# KiCad board lb_mp1.kicad_pcb (continued)
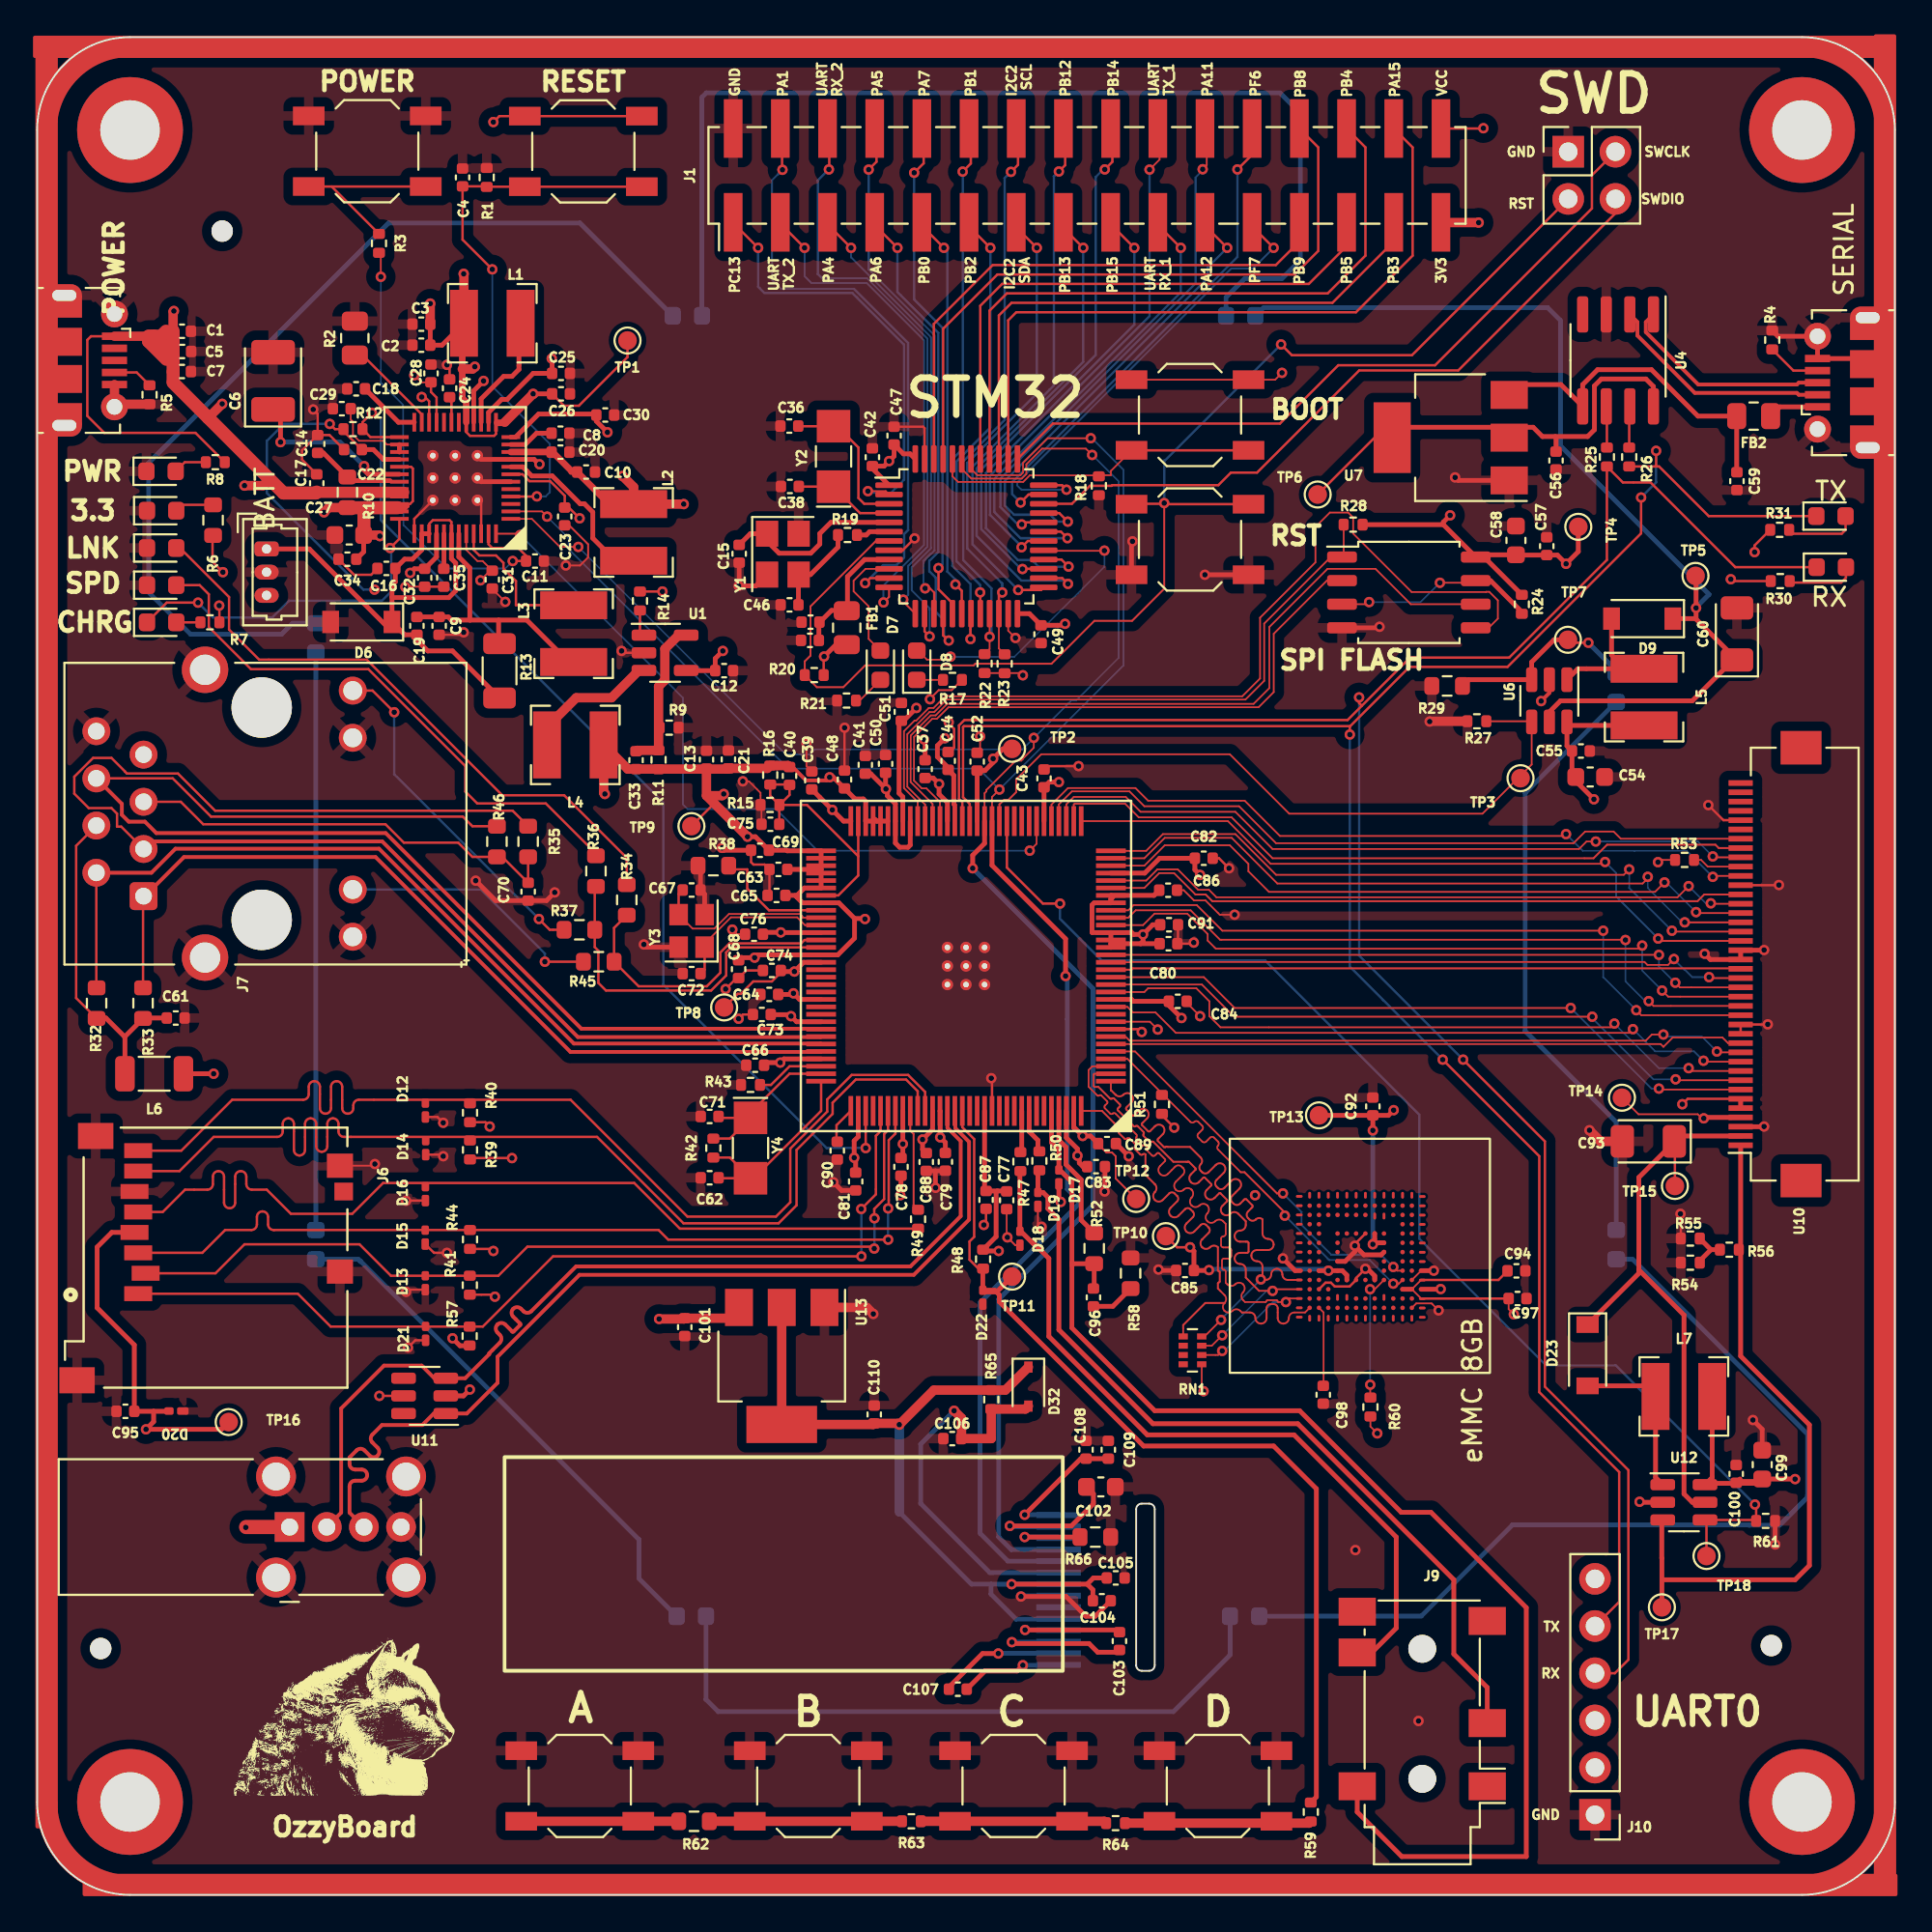
[diagram p0: board, top side]
## Nets (continued)
Net-(D1-Pad1): D1.1 U2.36
Net-(D1-Pad2): D1.2 R7.2
Net-(D2-Pad2): D2.2 R6.1
Net-(D3-Pad2): D3.2 R8.2
Net-(D4-Pad2): D4.2 R36.1
Net-(D5-Pad2): D5.2 R34.1
Net-(D7-Pad1): D7.1 R21.1
Net-(D8-Pad1): D8.1 R17.1
Net-(D9-Pad2): D9.2 L5.2 U6.1
Net-(D10-Pad1): D10.1 J10.5 R26.2 U8.48
Net-(D10-Pad2): D10.2 R31.2
Net-(D11-Pad1): D11.1 J10.4 R25.1 U8.49
Net-(D11-Pad2): D11.2 R30.2
Net-(D12-Pad1): D12.1 J6.8 R40.2 U8.107
Net-(D13-Pad1): D13.1 J6.2 R41.2 U8.102
Net-(D14-Pad1): D14.1 J6.7 R39.2 U8.106
Net-(D15-Pad1): D15.1 J6.3 R44.2 U8.103
Net-(D16-Pad1): D16.1 J6.5 R49.1
Net-(D18-Pad1): D18.1 J9.4 R47.1
Net-(D19-Pad1): D19.1 J9.3 R50.1
Net-(D21-Pad1): D21.1 J6.1 R57.2 U8.101
Net-(D23-Pad2): D23.2 L7.2 U12.1
Net-(D24-Pad1): D24.1 D25.2
Net-(D25-Pad1): D25.1 D27.2
Net-(D26-Pad1): D26.1 R29.1 TP7.1 U6.3
Net-(D26-Pad2): D26.2 D28.1
Net-(D27-Pad1): D27.1 D29.2
Net-(D28-Pad2): D28.2 D30.1
Net-(D29-Pad1): D29.1 D31.2
Net-(D30-Pad2): D30.2 D31.1
Net-(FB2-Pad1): FB2.1 J5.1
Net-(J4-Pad4): J4.4 R5.1
Net-(J5-Pad4): J5.4 R4.1
Net-(J7-Pad10): J7.10 R45.1
Net-(J7-Pad12): J7.12 R37.1
Net-(L1-Pad2): L1.2 U2.15
Net-(L2-Pad2): L2.2 U2.8
Net-(L3-Pad1): L3.1 U2.45
Net-(L4-Pad1): L4.1 U1.3
Net-(R2-Pad2): R2.2 U2.23
Net-(R3-Pad1): R3.1 SW2.1
Net-(R14-Pad2): R14.2 U1.1
Net-(R18-Pad2): R18.2 SW4.1 U3.44
Net-(R24-Pad2): R24.2 U5.3 U5.7
Net-(R25-Pad2): R25.2 U4.6
Net-(R26-Pad1): R26.1 U4.7
Net-(R28-Pad2): R28.2 U5.1 U8.54
Net-(R38-Pad2): R38.2 U8.73
Net-(R43-Pad1): R43.1 U8.94
Net-(R47-Pad2): R47.2 U8.120
Net-(R49-Pad2): R49.2 U8.105
Net-(R50-Pad2): R50.2 U8.121
Net-(R51-Pad2): R51.2 U8.4 U9.M5
Net-(R52-Pad2): R52.2 U8.125
Net-(R53-Pad2): R53.2 U10.31
Net-(R54-Pad1): R54.1 R55.1 R56.2
Net-(R56-Pad1): R56.1 TP17.1 U10.1 U12.3
Net-(R59-Pad2): R59.2 R64.1 SW8.1
Net-(R60-Pad2): R60.2 U9.K5
Net-(R62-Pad1): R62.1 R63.2 SW6.1
Net-(R62-Pad2): R62.2 SW5.1
Net-(R63-Pad1): R63.1 R64.2 SW7.1
Net-(R66-Pad2): R66.2 U14.12
Net-(RN1-Pad2): RN1.2 U8.3 U9.A3
Net-(RN1-Pad3): RN1.3 U8.2 U9.A4
Net-(RN1-Pad4): RN1.4 U8.1 U9.A5
Net-(RN1-Pad5): RN1.5 U8.128 U9.B2
Net-(U5-Pad2): U5.2 U8.52
Net-(U5-Pad5): U5.5 U8.55
Net-(U5-Pad6): U5.6 U8.53
Net-(U8-Pad5): U8.5 U9.M6
Net-(U10-Pad7): U8.15 U10.7
Net-(U10-Pad8): U8.14 U10.8
Net-(U10-Pad9): U8.13 U10.9
Net-(U10-Pad10): U8.11 U10.10
Net-(U10-Pad11): U8.7 U10.11
Net-(U10-Pad12): U8.6 U10.12
Net-(U10-Pad15): U8.24 U10.15
Net-(U10-Pad16): U8.23 U10.16
Net-(U10-Pad17): U8.22 U10.17
Net-(U10-Pad18): U8.18 U10.18
Net-(U10-Pad19): U8.17 U10.19
Net-(U10-Pad20): U8.16 U10.20
Net-(U10-Pad23): U8.33 U10.23
Net-(U10-Pad24): U8.32 U10.24
Net-(U10-Pad25): U8.31 U10.25
Net-(U10-Pad26): U8.30 U10.26
Net-(U10-Pad27): U8.28 U10.27
Net-(U10-Pad28): U8.27 U10.28
Net-(U10-Pad30): U8.37 U10.30
Net-(U10-Pad32): U8.35 U10.32
Net-(U10-Pad33): U8.34 U10.33
Net-(U10-Pad34): U8.36 U10.34

Pads without a net: H1 1; H2 1; H3 1; H4 1; J3 3; J4 2 3; J6 SW; J7 7; J9 1 5 6; J10 2 3 6; RN1 6 7 8; U2 3 5 18 20; U4 4; U8 10 40 41 42 81 82 83 84 86 87 100 113 114 117 118 119 122 123; U9 A1 A2 A7 A8 A9 A10 A11 A12 A13 A14 B1 B3 B4 B5 B6 B7 B8 B9 B10 B11 B12 B13 B14 C1 C3 C5 C7 C8 C9 C10 C11 C12 C13 C14 D1 D2 D3 D4 D12 D13 D14 E1 E2 E3 E5 E8 E9 E10 E12 E13 E14 F1 F2 F3 F10 F12 F13 F14 G1 G2 G3 G10 G12 G13 G14 H1 H2 H3 H5 H12 H13 H14 J1 J2 J3 J12 J13 J14 K1 K2 K3 K6 K7 K10 K12 K13 K14 L1 L2 L3 L12 L13 L14 M1 M2 M3 M7 M8 M9 M10 M11 M12 M13 M14 N1 N3 N6 N7 N8 N9 N10 N11 N12 N13 N14 P1 P2 P7 P8 P9 P10 P11 P12 P13 P14; U10 35 37 38 39 40 MP; U11 4 6; U14 6

## Via types
v1: diameter 0.56, hole 0.3, Top to Bottom, 316 vias

## Routing (per net, layer and track width the routed paths; a pad name or vN(x,y) marks a point on that pad's centre or on a via; arc(x,y) is an arc through that point)
+1V2: length 151.7
  Top w0.127: C74.1 40.03,49.65 39.55,49.17 38.55,49.17 37.88,48.5 37.71,48.5 TP8.1 ; 49,58.71 U8.51
  Top w0.254: C37.1 48.23,60.12 v1(48.55,59.8) 48.55,59.25 49,58.8 U8.51 ; U8.47 C52.1 51.02,60.52 51.46,60.96 v1(51.46,61.16) 51.99,61.69 TP2.1 ; U8.38 C43.1 54.48,59.9 v1(55,59.9) ; 57.8,53.6 U8.25 56.9,53.4 56.78,53.28 56.78,51.82 56.8,51.8 U8.21 ; 57.8,53.6 U8.26 60.12,53.8 C86.1 ; 57.8,53.6 57.9,53.7 ; v1(45.69,59.53) 44.87,60.35 C41.1 ; v1(45.69,59.53) 45.69,59.51 45.77,59.43 45.77,59.16 46.2,58.73 U8.58 46.2,56.62 46.43,56.39 46.88,56.39 47,56.51 U8.56 ; v1(45.69,59.53) 45.67,59.55 C50.1 ; v1(59.53,51.7) 59.02,51.7 58.89,51.83 58.86,51.8 U8.21 ; v1(59.53,51.7) 59.53,51.33 59.4,51.2 ; v1(59.53,51.7) 60.05,52.22 C91.1 ; U8.21 57.8,51.2 ; 59.4,51.2 57.8,51.2 ; 59.4,51.2 C80.1 ; 57.8,51.2 U8.19 ; C88.1 47.66,40.13 v1(47.66,40.66) 48.2,41.2 U8.108 ; U8.126 55.4,40.76 56,40.16 v1(56,39.79) 56.1,39.69 56.1,39.4 56.3,39.2 C83.1 ; 39.55,47.38 40.5,47.38 v1(40.58,47.3) 40.88,47 U8.88 ; U8.64 43.41,57.8 v1(42.81,58.41) C39.1 ; C74.1 40.09,49.7 v1(40.76,49.7) 41.26,50.2 U8.80 ; 27.68,77.67 C20.1 ; 30.8,74.86 32.11,74.86
  Top w0.3: 28.75,76.59 C10.1
  Top w0.35: 27.69,77.72 28.75,76.66 ; C10.1 30.8,74.86 ; U2.10 27.68,77.67
  Top w0.5: v1(31.51,76.38) 32.11,75.78 32.11,74.86 v1(34.81,74.86)
  Power plane w0.5: v1(40.58,47.3) 40.62,47.26 41.76,47.26 ; 41.76,48.86 41.76,47.26 ; 41.76,48.86 40.92,49.7 v1(40.76,49.7) ; 41.76,48.86 45.16,48.86 45.56,49.26 45.56,55.65 v1(42.81,58.41) 43.26,58.86 45.02,58.86 v1(45.69,59.53) ; 41.76,47.26 47.66,41.36 v1(47.66,40.66) ; v1(56,39.79) 56.07,39.86 57.36,39.86 58.68,41.18 58.68,50.85 v1(59.53,51.7) 59.53,55.37 v1(55,59.9) 54.01,60.89 51.39,60.89 51.3,60.8 49.9,60.8 48.9,59.8 v1(48.55,59.8) 48.28,59.53 v1(45.69,59.53) ; v1(45.69,59.53) 39.81,65.41 34.81,65.41 v1(34.81,74.86)
+1V8: length 76.5
  Top w0.127: C40.1 40.73,60.71 ; TP9.1 36.44,58.74 36.44,58.77
  Top w0.2: 40.65,60.73 41.39,59.99 ; v1(42.66,60.16) 42.49,59.99 41.46,59.99
  Top w0.254: v1(38.24,56.96) 38.66,56.96 C69.1 40.35,56.23 40.38,56.2 U8.65 42.2,55.2 ; C63.1 42.2,55.2 ; 42.2,55.2 U8.70 41.3,54.2 40.9,53.8 40.9,53.7 ; 40.9,53.7 40.8,53.8 C65.1 ; 40.9,53.7 41.2,53.4 U8.72 43.16,53.4 44,52.56 ; 45.2,57.8 U8.59 ; 45.2,57.8 45.1,57.9 ; 45.2,57.8 U8.62 44.6,58.86 44.47,58.99 44.03,58.99 C48.1 42.86,60.16 v1(42.66,60.16) ; v1(44.56,52.53) 44.53,52.56 44,52.56 ; 44,52.56 44,51.5 43.1,50.6 U8.79 38.77,50.6 v1(38.62,50.45) 37.9,50.45 C68.1
  Top w0.5: C40.1 40.42,60.79 R16.1 39.31,60.64 C21.1 37.17,60.6 C33.1 31.8,60.6 L4.2 30.5,59.33 v1(30.56,59.26) ; v1(36.96,59.26) 36.87,59.17 36.03,59.17 ; 36.03,59.17 v1(38.24,56.96) ; 36.03,59.17 C13.1
  Power plane w0.5: v1(44.56,52.53) 39.53,52.53 38.62,51.62 v1(38.62,50.45) 37.82,50.45 30.56,57.71 v1(30.56,59.26) ; v1(42.66,60.16) 41.76,59.26 v1(36.96,59.26)
+3.3V: length 203.5
  Top w0.09: v1(53.06,65.65) 52.94,65.77 R22.2 ; v1(87.25,55.59) 87.37,55.71 R53.1 ; SW4.2 SW4.2 66.64,81.56 v1(67.01,81.93) ; 74.5,32.1 U9.N4 74.5,33.1 ; RN1.1 62.69,27.21 v1(62.79,27.11) ; 42.34,66.64 v1(42.36,66.66) ; 89.77,41.85 v1(89.72,41.8) 89.61,41.8 89.39,42.02 86.2,42.02 TP14.1 ; 61,47.8 61.03,47.77 ; v1(79.49,31.25) 79.21,31.53 C97.1 ; v1(72.14,24.84) 71.77,25.21 R60.1 ; 72,35.31 72,35.28
  Top w0.1: TP12.1 58.06,38.56 58.06,39.76 57.86,39.96 57.56,39.96 57.11,40.41
  Top w0.127: U2.13 24.7,78.64 24.6,78.54 23.3,78.54 23.08,78.76 23.08,79.25 U2.17 ; C26.1 28.36,80.16 29.16,80.16 31.78,82.78 TP1.1 ; v1(25.56,39.66) 23.37,39.66 R39.1 ; C94.1 78.66,33.1 74.5,33.1 ; 49.4,58.66 U8.50 ; C97.1 74.5,32.1 ; v1(91.17,70.82) 91.27,70.72 R30.1 ; R41.1 24.53,32.31 v1(24.64,32.2) ; v1(62.06,34.86) 61.36,34.86 TP10.1 ; v1(61.21,41.3) 60.55,41.96 R51.1 ; 77.48,72.05 U5.8 ; C57.1 81.58,72.12 ; v1(24.56,34.66) 24.45,34.77 R44.1 ; R31.1 92.45,72.64 v1(92.45,72.28) ; 9.44,73.06 9.44,71.76 v1(10,71.2) ; R40.1 24.13,41.59 v1(24.36,41.36) ; R20.2 42.34,66.64
  Top w0.254: C79.1 48.89,40.5 v1(48.61,40.78) 48.61,42.19 U8.109 ; C66.1 39.27,44.8 v1(40,44.8) 40.2,45 U8.93 ; U8.85 41.04,48.2 v1(40.71,48.53) 40.65,48.47 C64.1 ; v1(76.06,74.26) 75.69,73.89 75.69,73.76 ; U3.48 46.99,77.57 46.63,77.57 C47.2 46.13,77.45 v1(45.86,77.18) 45.59,76.91 C42.2 44.96,76.78 U3.1 ; v1(47.33,63.89) 46.64,63.2 C51.1 46.4,63.08 46.4,59.3 46.6,59.1 U8.57 ; C92.1 v1(71.9,41.15) ; C92.1 72.74,41.96 v1(73.02,42.24) ; C92.1 TP13.1 ; 6.27,26.03 6.27,25.47 v1(5.86,25.06) 9.92,25.06 TP16.1 ; 6.27,26.03 C95.1 5.23,29.6 3.23,31.6 3.23,34.87 4.02,35.66 J6.4 ; 6.27,26.03 7.08,26.03 D20.1 ; 22.98,84.6 21.8,83.42 C2.1 C3.1 ; v1(55.33,68.42) 55.25,68.34 C49.2 53.41,68.97 U3.24 ; 75.69,73.76 U5.8 ; 75.69,73.76 R28.1 ; U9.F5 70.5,33.36 70.26,33.6 U9.E6 v1(69.51,33.6) U9.C6 ; U8.29 59.62,55 60.42,55.8 C82.1 62.32,55.18 v1(62.6,54.9) ; v1(22.36,29.96) 22.76,29.56 23.27,29.56 R57.1 ; U9.M4 U9.N4 ; C89.1 56.7,40.85 v1(56.28,40.85) 55.83,41.3 55.8,41.3 U8.127 ; TP4.1 82.96,72.31 v1(82.3,71.65) 81.83,72.12 81.58,72.12 ; 72,35.31 U9.J10 ; C78.1 46.6,39.77 v1(46.6,40.42) U8.104 ; C57.1 79.62,72.12 C58.1 77.56,72.13 U5.8 ; v1(63.08,33.63) 63.06,33.61 C85.1 62.27,34.65 v1(62.06,34.86) ; L6.1 v1(9.5,44.2) ; v1(20.08,71.16) 20.3,71.38 C35.1 21.5,72.02 U2.40 ; v1(61.6,47.2) 61.03,47.77 ; v1(42.36,66.66) 43,67.3 FB1.2 ; U5.8 77.88,72.02 R24.1 ; U9.K9 71.98,35.1 v1(71.9,35.02) 71.9,35.18 72,35.28 ; v1(48.86,62.26) 48.46,61.86 48.46,61.26 49.04,60.68 C44.1 49.34,60.26 49.34,58.94 49.34,58.94 49.34,58.72 49.4,58.66 ; U8.12 58.91,48.2 59.01,48.1 C84.1 60.92,47.88 61,47.8 ; 91.22,41.85 89.77,41.85 ; C26.1 v1(26.7,80.8)
  Top w0.35: U2.17 23.1,80.35 22.89,80.56 22.89,82.78 ; 25.23,79.24 24.75,79.24
  Top w0.5: 22.89,82.13 23.44,82.13 v1(23.56,82.26) ; v1(77.6,90.02) 75.58,90.02 75.57,90.03 ; v1(26.7,80.8) 25.17,79.27 ; v1(22.96,87.26) 22.98,87.25 22.98,84.6 ; C3.1 v1(21.16,85.66)
  Power plane w0.254: v1(48.61,40.78) 47.94,40.11 46.91,40.11 v1(46.6,40.42) 46,40.42 39.76,46.66 39.76,47.58 v1(40.71,48.53)
  Bottom w0.254: v1(69.51,33.6) 69.43,33.68 63.13,33.68 v1(63.08,33.63) ; v1(71.9,35.02) v1(71.9,41.15)
+3.3VA: length 7.2
  Top w0.254: C53.2 42.08,68.48 C45.2 42.13,68.51 42.76,69.14 43.56,69.14 FB1.1 43.62,69.16 43.62,70.96 44.54,71.88 U3.9
+3V0: length 83.3
  Top w0.127: R14.1 v1(33.66,70.16)
  Top w0.254: U8.76 40.04,51.8 v1(40.03,51.81) 39.17,51.81 C76.1 ; v1(51.76,34.66) 50.99,34.66 ; U8.115 51,37.97 C87.1 51.69,37.89 ; 51.69,37.89 51.62,37.82 51.62,35.43 R48.1 ; 51.69,37.89 52.17,37.89 C77.1 ; U2.12 25.75,78.47 26.99,79.71 30.05,79.71 C30.2 30.1,79.33 v1(30.7,78.73)
  Power plane w0.254: 39.06,48.86 39.06,49.76 40.03,50.73 v1(40.03,51.81) ; 39.06,48.86 38.26,48.86 28.66,58.46 33.66,63.46 v1(33.66,70.16) 30.7,73.12 v1(30.7,78.73) ; 39.06,48.86 39.06,46.26 39.84,45.48 40.45,45.48 46.2,39.73 48.39,39.73 49.12,39 49.12,36.39 50.85,34.66 v1(51.76,34.66)
GND: length 205.7
  Top w0.09: v1(52.23,35.39) 52.19,35.43 C77.2 ; v1(50.76,62.36) 50.76,61.64 C52.2 ; C31.2 24.5,70.3 v1(25.2,69.6) ; v1(64.46,52.76) 63.66,52.76 62.89,53.53 62.27,53.53 61.72,54.08 C86.2 ; U9.N5 74.5,33.6 ; v1(75.44,31.46) 75.06,31.84 74.24,31.84 U9.N2 ; v1(52.66,67.66) 52.27,68.05 U3.23 ; v1(37.99,59.94) 38.32,59.94 38.94,59.32 R15.2 38.99,58.62 C75.2 ; C84.2 61.88,48.02 v1(62.6,47.3)
  Top w0.1: v1(37.42,51.96) 37.67,51.71 C76.2 ; v1(52.23,35.39) 52.65,34.97 D18.2 ; v1(19.82,70.4) 19.84,70.42 C35.2 ; R17.2 49.23,64.85 48.53,64.85 48.06,64.38 v1(48.06,64.36) ; J6.S1 18.09,39.25 v1(18.18,39.34) ; C23.2 28.64,73.72 29.66,72.7 29.66,72 29.22,71.56 v1(28.46,71.56) ; v1(54.06,35.96) 53.87,36.15 D19.2 ; C39.2 41.41,60.76 v1(41.41,61.98) ; 71.08,34.94 v1(70.93,34.94)
  Top w0.127: D15.2 21.36,34.56 v1(22.06,34.56) ; U8.116 51.4,43.92 v1(51.36,43.96) ; D16.2 19.87,37.37 v1(19.86,37.36) ; C65.2 39.42,53.9 C63.2 39.16,55.46 38.56,55.46 38.43,55.59 C69.2 ; U10.6 88.85,42.85 v1(88.56,42.56) ; U10.36 90.77,57.85 v1(89.96,58.66) ; D12.2 21.55,41.87 v1(21.86,41.56) ; v1(37.76,47.16) 37.99,47.39 C73.2 ; D14.2 21.77,39.85 v1(21.86,39.76) ; C34.2 17.06,71.06 17.98,71.06 C16.2 ; U3.8 46.59,72.38 v1(47.23,73.02) ; v1(71.5,33.7) 71,33.2 U9.G5 70.65,32.75 69.85,32.75 69.65,32.95 69.35,32.95 U9.C4 ; v1(14.86,79.96) 15.1,79.72 C14.2 ; C48.2 43.46,62.82 v1(43.46,62.83) ; v1(88.46,36.66) 88.48,36.64 R55.2 ; U2.22 21.1,80.4 20.87,80.63 v1(20.7,80.63) ; U10.13 U10.14 93.15,46.85 v1(93.16,46.86) ; C91.2 61.41,51.23 C80.2 62.2,51.2 v1(62.26,51.26) ; v1(64.16,55.26) 63.62,55.8 C82.2 ; C24.1 22.2,82.22 v1(22.06,82.36) ; v1(50.96,36.06) 51.08,36.18 C87.2 ; v1(22.96,67.96) 22.83,67.83 C9.2 ; v1(31.46,66.96) 31.56,66.86 U1.2 ; U2.GND$1 23.9,74.87 U2.46 ; U9.H10 70.93,35.03 v1(70.93,34.94) ; C43.2 54.38,60.76 v1(56.06,60.76) ; U3.47 47.77,78.95 47.69,79.03 C47.1 ; v1(19.96,29.46) 20.35,29.85 D21.2 ; U10.29 93.75,54.35 v1(93.76,54.36) ; C22.1 15.74,78.58 C14.2 ; v1(49.07,63.12) 49.07,63.05 49.36,62.76 49.36,61.76 49.12,61.52 C44.2 ; C14.2 15.08,78.58 14.26,77.76 14.26,77.26 C17.1 ; U2.GND$3 20.3,74.07 U2.37 ; C74.2 38.17,49.76 C68.2 37.65,49.35 v1(37.06,48.76) ; D13.2 19.98,32.58 v1(19.86,32.46) ; C32.1 C35.2
  Top w0.2: v1(80.96,64.26) 81.4,64.7 U6.2
  Top w0.254: U2.GND$4 23.9,76.07 U2.6 ; v1(24.03,81.5) 23.5,80.97 U2.16 ; U5.4 72.21,68.21 v1(72.26,68.26) ; v1(48.36,38.06) 48.35,38.07 48.35,38.97 ; 48.35,38.97 C88.2 ; 48.35,38.97 48.88,38.97 C79.2 ; v1(55.1,37.3) 55,37.4 D17.2 ; C37.2 47.8,62.13 v1(47.73,62.2) ; U7.1 76.49,76.14 v1(76.33,76.3) ; C83.2 57.48,37.88 v1(57.46,37.86) ; U9.J5 72,33.32 71.62,33.7 v1(71.5,33.7) ; Y3.4 32.81,51.02 v1(32.66,51.16) ; Y3.2 35.93,53.87 C67.2 35.71,55.27 R38.1 ; v1(92.96,50.86) 92.95,50.85 U10.22 U10.21 90.07,50.35 v1(89.76,50.66) ; C104.2 56.96,15 56.45,15 55.39,16.06 v1(52.96,16.06) ; C78.2 46.5,37.7 v1(46.46,37.66) ; U10.5 U10.6 ; v1(36.86,56.36) 36.99,56.23 C69.2 ; v1(67.06,34.26) 67.72,33.6 68,33.6 ; J5.6 98.24,82.7 J5.5 J5.6 93.71,83.9 R4.2 ; v1(42.86,38.36) 43.3,37.92 C81.2 ; U11.2 22.95,26.86 v1(23.29,27.2) ; R61.2 93.55,18.87 v1(93.56,18.86) ; v1(27.86,53.96) 27.42,53.52 C70.2 24.68,53.52 v1(23.61,54.59) ; C85.2 60.41,33.61 v1(60.36,33.66) ; v1(58.76,39.76) 58.08,40.44 C89.2 ; v1(92.36,25.56) 92.86,25.06 C99.2 ; v1(75.55,32.61) 75.54,32.6 74.5,32.6 ; U9.E7 70.41,34.1 70.93,34.62 v1(70.93,34.94) 71.42,34.45 72.35,34.45 U9.K8 ; U2.GND$7 23.9,77.27 U2.9 26.75,77.27 27.01,77.01 v1(27.04,77.01) ; C15.2 37.79,70.49 v1(37.76,70.46) 38.68,70.46 Y1.2 ; v1(58.96,72.86) 58.91,72.81 SW3.2 ; 74.5,33.6 v1(75.18,33.6) ; U12.2 86.29,21.13 v1(86.26,21.16) ; U10.3 92.95,41.35 v1(92.96,41.36) ; SW3.2 v1(62.86,71.06)
  Top w0.5: v1(74.96,63.16) 74.98,63.18 R27.2 ; R5.2 4.3,80.24 J4.6 J4.5 ; v1(45.01,31.27) 44.66,31.62 U13.1 ; v1(83.56,41.16) 84.16,40.56 C93.2
  Top w1.14: 0.49,95 arc(1.81,98.18) 4.99,99.5 ; 5.01,0.49 arc(1.83,1.81) 0.51,4.99 ; 95,99.5 arc(98.18,98.19) 99.51,95.01 ; 99.5,5 arc(98.18,1.82) 95,0.5
  Bottom w0.254: U14.7 53.01,16.11 v1(52.96,16.06)
  vias: v1(65.56,37.66) v1(70.96,18.56) v1(74.36,9.36)
VCC: length 350.4
  Top w0.09: C28.1 20.68,81.42 v1(20.3,81.8) ; v1(23.86,70.76) 24.38,71.28 C31.1 23.98,71.8 23.7,71.8 23.1,72.4 U2.44
  Top w0.127: v1(9.8,69.4) 9.81,69.39 R7.1 ; U2.21 21.5,80.6 21.2,80.9 C28.1 ; J1.32 77.84,95.08 v1(77.85,95.1) ; U2.29 20.13,76.87 20.22,76.78 20.22,75.02 20.07,74.87 U2.34 ; v1(29.2,74.1) 28.62,74.68 C23.1 28.4,75.31 27.61,76.1 26.5,76.1 26.13,76.47 U2.7 ; U11.5 v1(18.42,26.86) ; SW1.2 SW1.2 24.88,95.75 v1(24.56,95.43)
  Top w0.254: 19.24,74.69 19.31,74.62 19.46,74.77 19.92,74.77 19.62,74.47 U2.35 ; v1(83.8,58.97) 82.82,59.95 C54.1 82.62,60.38 C55.1 82.35,61.84 U6.6 82.54,62.95 L5.1 ; C99.1 94.62,22.38 v1(94.63,22.38) ; U2.14 24.3,79.8 25,80.5 25.3,80.5 26.7,81.9 C25.1 27.72,82.68 v1(27.7,82.7) ; 92.8,22.25 91.61,22.25 ; v1(36.91,66.96) 36.5,66.55 C12.1 34.95,65.9 U1.4 ; C34.1 17.58,72.3 C27.1 ; U2.34 19.5,74.64 ; 91.66,22.38 C100.1 ; 92.74,22.15 89.85,22.15 U12.6 90.17,22.47 L7.1
  Top w0.5: C27.1 18.39,73.2 v1(18.45,73.14) ; v1(33.48,31) 34.82,31 C101.1 37.2,31.04 U13.3 ; v1(15.44,74.42) 15.7,74.67 R10.1 16.72,74.69
  Top w0.7: 17.94,74.67 16.86,74.67 ; 19.4,74.67 17.59,74.67 ; 17.59,74.56 17.59,73.3
  Top w0.762: J8.1 11.25,19.8
  Power plane w0.5: 14.37,69.06 v1(18.45,73.14) 19.12,73.81 ; 14.37,69.06 10.14,69.06 v1(9.8,69.4) ; 14.37,69.06 14.37,26.97 ; 36.91,75.11 v1(36.91,66.96) ; 36.91,75.11 37.17,74.85 50.75,74.85 57.76,81.86 64.67,81.86 ; 36.91,75.11 36.91,77.11 32.82,81.2 29.2,81.2 ; v1(11.23,19.78) 13.57,19.78 J8.1 14.37,20.58 14.37,26.97 ; 64.67,81.86 64.67,82.94 66.68,84.94 67.69,84.94 v1(77.85,95.1) ; 64.67,81.86 65.96,81.86 83.8,64.02 v1(83.8,58.97) 88.44,58.97 92.82,54.59 92.82,54.16 94.63,52.35 v1(94.63,22.38) ; v1(33.48,31) 33.48,28.95 30.39,25.86 19.42,25.86 v1(18.42,26.86) 18.31,26.97 14.37,26.97 ; 19.12,73.81 19.21,73.81 20.56,72.46 23.86,72.46 ; 19.12,73.81 19.12,80.71 20.22,81.8 v1(20.3,81.8) 20.3,91.17 v1(24.56,95.43) ; 23.86,72.46 27.76,72.46 29.2,73.9 v1(29.2,74.1) 29.2,81.2 ; 23.86,72.46 v1(23.86,70.76) ; 29.2,81.2 v1(27.7,82.7)
